# KiCad board Inverter_KiCAD.kicad_pcb (continued)
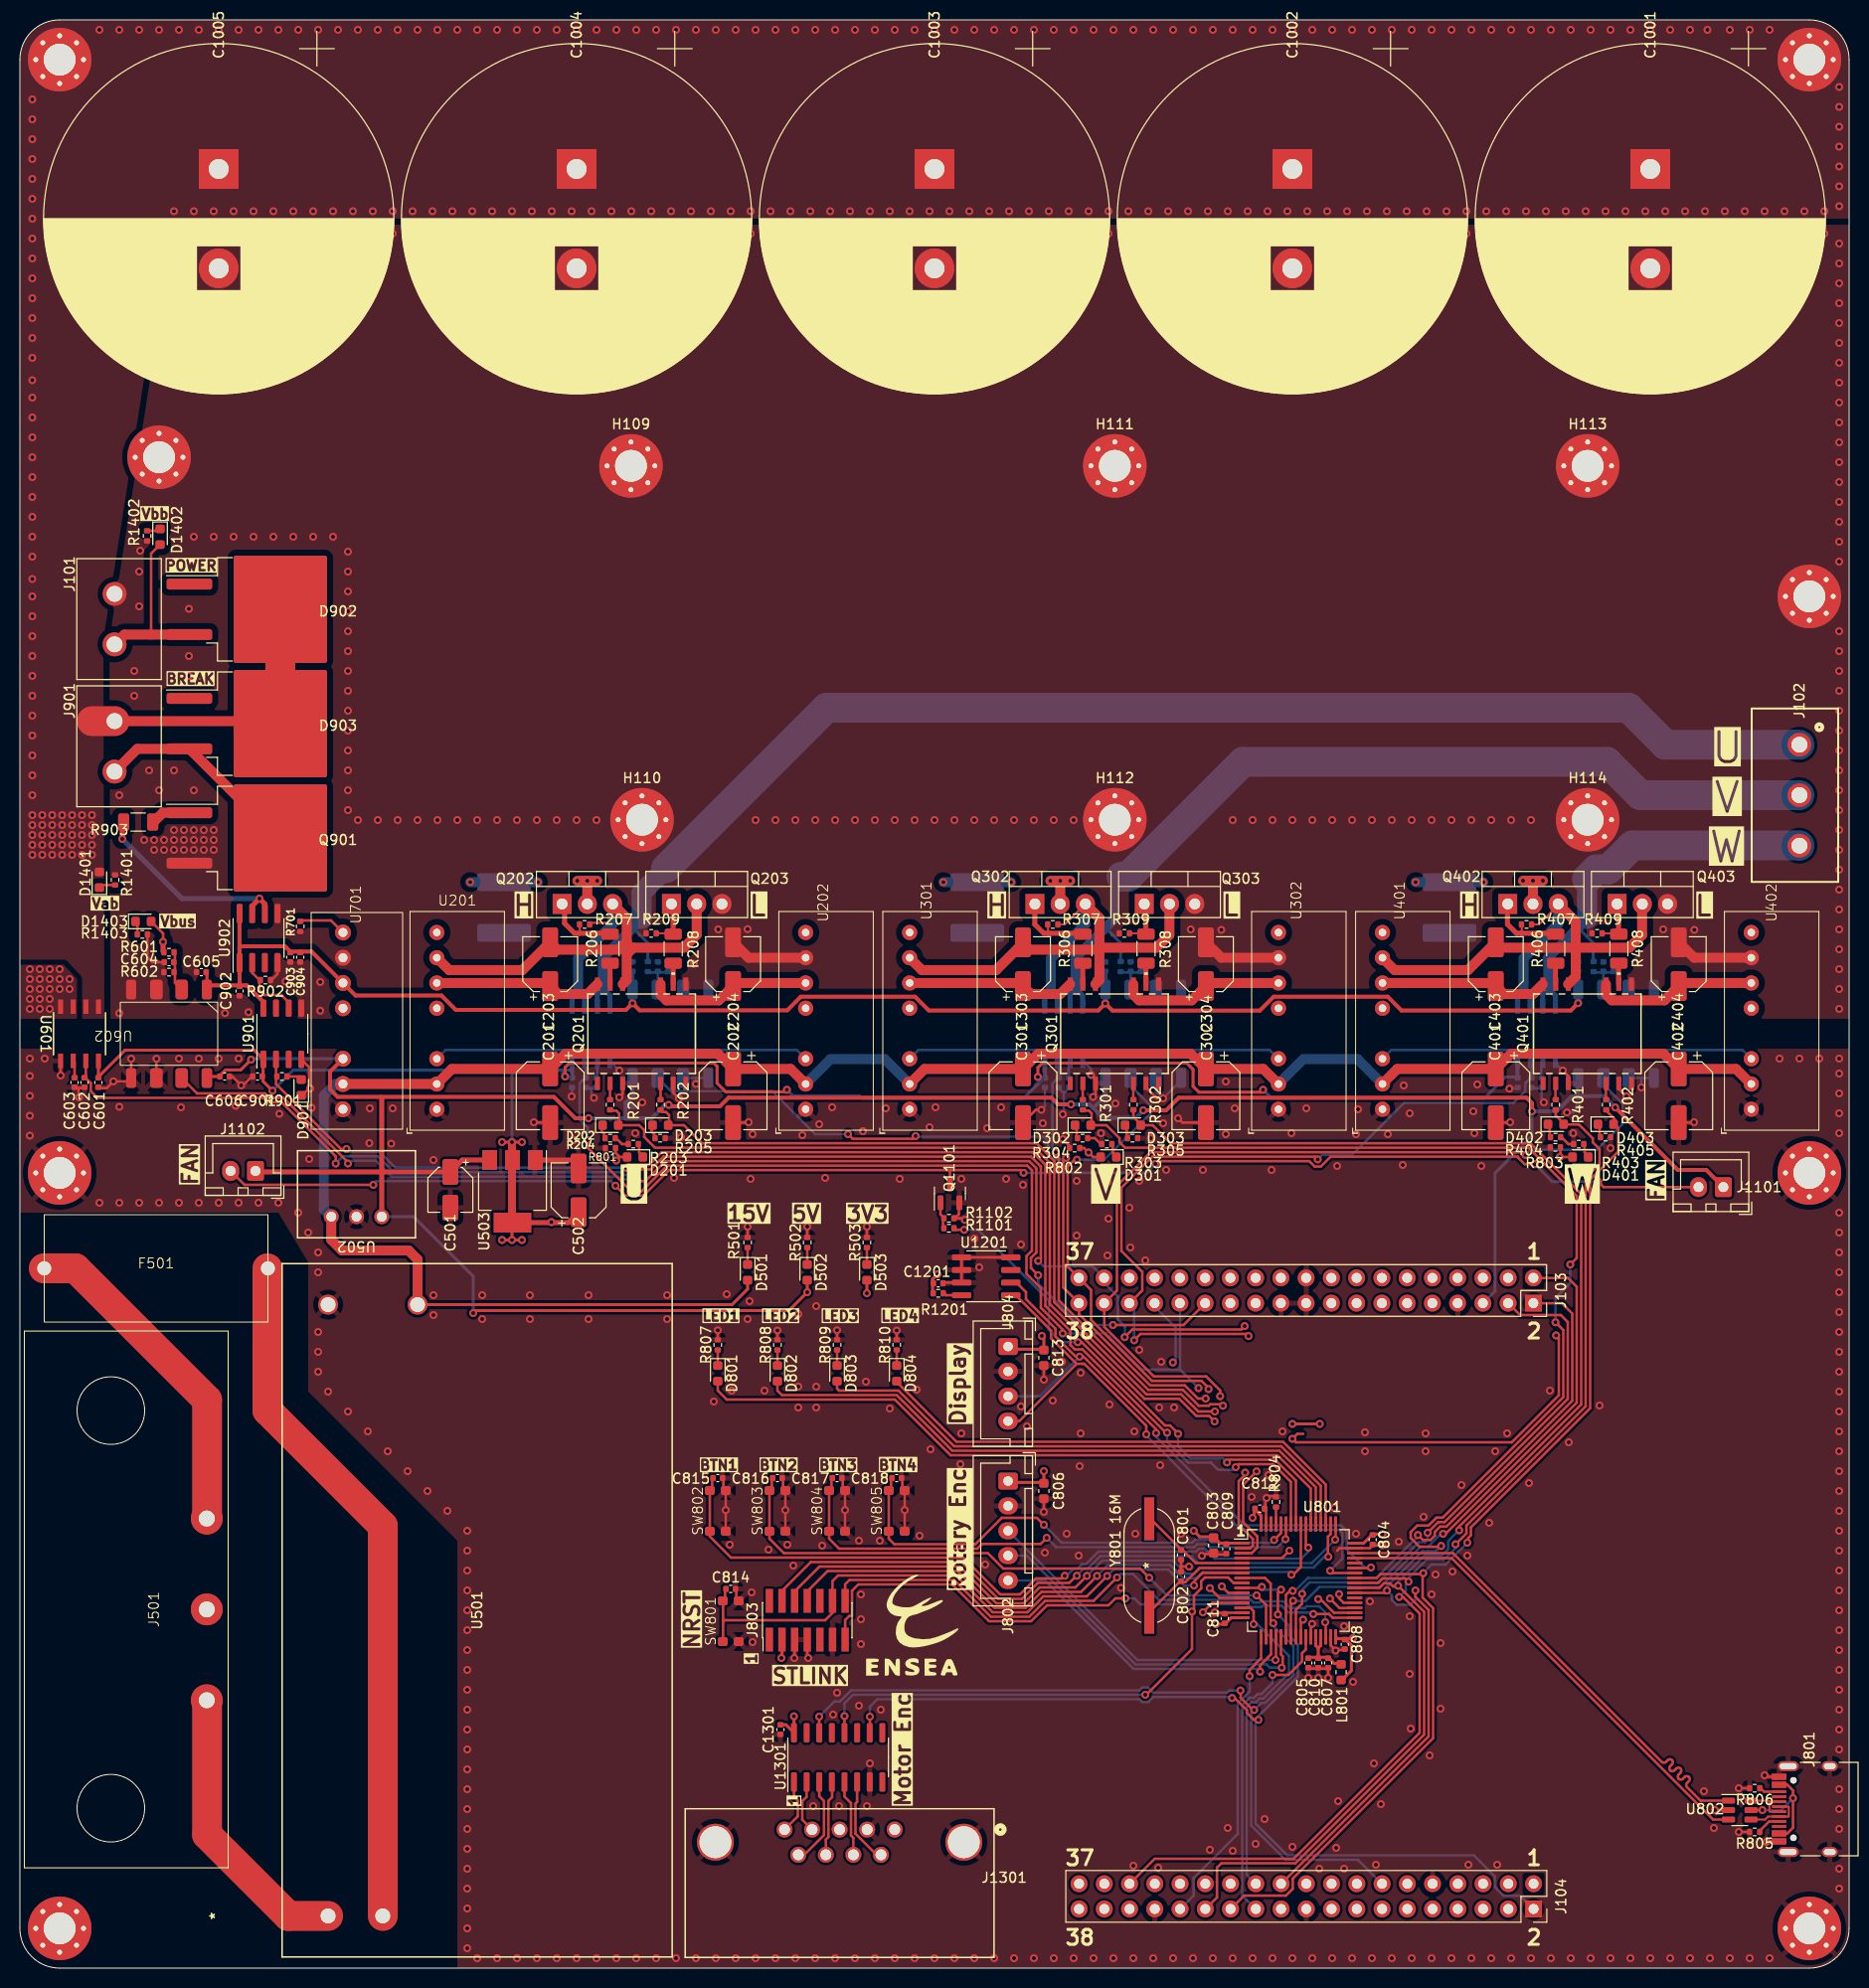
[diagram p0: board, top side]
## Library data of the parts (continued)
U501 = -: Fournisseur: Farnell; MFR: MP-LD30-23B15R2; Ref: 3780527
U502 = -: Fournisseur: Wurth; MFR: 173 010 542
U503 = -: Description: 1A 20V Fixed LDO Linear Regulator, 3.3V, SOT-89/SOT-223/TO-220/TO-252/TO-263; Fournisseur: RS; MFR: AZ1117H-3.3TRE1; Ref: 921-0701
U701 = -: Fournisseur: Wurth; MFR: 177 910 632 15
U801 = -: Description: STMicroelectronics Arm Cortex-M4 MCU, 512KB flash, 128KB RAM, 170 MHz, 1.71-3.6V, 52 GPIO, LQFP64; Fournisseur: RS; MFR: STM32G474RET6; Ref: 193-9861
U802 = -: Description: Very low capacitance ESD protection diode, 2 data-line, SOT-23-6; Fournisseur: RS; Ref: 624-7693
U901 = -: Fournisseur: RS; MFR: ACPL-077L-500E; Ref: 230-5293
U902 = -: Fournisseur: RS; MFR: TC1412NEOA; Ref: 1834898
U1201 = -: Fournisseur: RS; MFR: TCN75AVOA; Ref: 738-6014
U1301 = -: Fournisseur: Farnell; Ref: 2518786
Y801 = -: Description: Two pin crystal; Fournisseur: Farnell; MFR: ABLS-16.000MHZ-20-B-3-H-T; Ref: 3228387

## Footprints (pads in the part's own frame, mm; a bottom-side part is the same pattern mirrored in y, then rotated)
0031.8201
  round 2.8 hole 1.4: 1(-11.25,0) 2(11.25,0)
173010578
  round 1.499 hole 0.991: 1(5.08,0) 2(2.54,0) 3(0,0)
17791063215
  round 1.6 hole 0.9: 1(-8.89,1.4) 2(-6.35,1.4) 3(-3.81,1.4) 5(1.27,1.4) 6(3.81,1.4) 7(6.35,1.4) 8(8.89,1.4)
435451019820
  rrect 0.9x1 smd: 1(-2.05,0.8) 1(2.05,0.8) 2(-2.05,-0.8) 2(2.05,-0.8)
618009233821
  round 1.6 hole 1.092: 1(0,0) 2(-2.77,0) 3(-5.54,0) 4(-8.31,0) 5(-11.08,0) 6(-1.385,-2.54) 7(-4.155,-2.54) 8(-6.925,-2.54) 9(-9.695,-2.54)
  round 3.708 hole 3.2: 10(-18.035,-1.27) 10(6.955,-1.27)
691311500102
  round 2.4 hole 1.6: 1(-2.54,0) 2(2.54,0)
691311500103
  round 2.4 hole 1.6: 1(-5.08,0) 2(0,0) 3(5.08,0)
ABLS-7.3728MHZ-CL-RESR-A-1-G-F
  rect 4.318x1.016 smd: 1(-4.699,0) 2(4.699,0)
C_0402_1005Metric
  rrect 0.56x0.62 smd: 1(-0.48,0) 2(0.48,0)
C_0603_1608Metric
  rrect 0.9x0.95 smd: 1(-0.775,0) 2(0.775,0)
C_2220_5650Metric
  rrect 1.8x5.4 smd: 1(-2.55,0) 2(2.55,0)
CP_Elec_4x5.4
  rrect 2.6x1.6 smd: 1(-1.8,0) 2(1.8,0)
CP_Elec_5x5.4
  rrect 3x1.6 smd: 1(-2.2,0) 2(2.2,0)
CP_Elec_6.3x7.7
  rrect 3.5x1.6 smd: 1(-2.7,0) 2(2.7,0)
CP_Radial_D35.0mm_P10.00mm_SnapIn
  rect 4x4 hole 2: 1(0,0)
  round 4 hole 2: 2(10,0)
DIP-8 Gull Wing
  rrect 1.016x2 smd: 1(-3.81,-4.45) 4(3.81,-4.45) 5(3.81,4.45)
  rrect 1.27x2 smd: 2(-1.27,-4.45) 3(1.27,-4.45) 6(1.27,4.45) 7(-1.27,4.45)
  rrect 1.06x2 smd: 8(-3.81,4.45)
JST_XH_B2B-XH-A_1x02_P2.50mm_Vertical
  rrect 1.7x2 hole 1: 1(0,0)
  oval 1.7x2 hole 1: 2(2.5,0)
JST_XH_B4B-XH-A_1x04_P2.50mm_Vertical
  rrect 1.7x1.95 hole 0.95: 1(0,0)
  oval 1.7x1.95 hole 0.95: 2(2.5,0) 3(5,0) 4(7.5,0)
JST_XH_B5B-XH-A_1x05_P2.50mm_Vertical
  rrect 1.7x1.95 hole 0.95: 1(0,0)
  oval 1.7x1.95 hole 0.95: 2(2.5,0) 3(5,0) 4(7.5,0) 5(10,0)
L_0603_1608Metric
  rrect 0.875x0.95 smd: 1(-0.787,0) 2(0.787,0)
LED_0603_1608Metric
  rrect 0.875x0.95 smd: 1(-0.787,0) 2(0.787,0)
LQFP-64_10x10mm_P0.5mm
  rrect 1.55x0.3 smd: 1(-5.675,3.75) 2(-5.675,3.25) 3(-5.675,2.75) 4(-5.675,2.25) 5(-5.675,1.75) 6(-5.675,1.25) 7(-5.675,0.75) 8(-5.675,0.25) 9(-5.675,-0.25) 10(-5.675,-0.75) 11(-5.675,-1.25) 12(-5.675,-1.75) 13(-5.675,-2.25) 14(-5.675,-2.75) 15(-5.675,-3.25) 16(-5.675,-3.75) 33(5.675,-3.75) 34(5.675,-3.25) 35(5.675,-2.75) 36(5.675,-2.25) 37(5.675,-1.75) 38(5.675,-1.25) 39(5.675,-0.75) 40(5.675,-0.25) 41(5.675,0.25) 42(5.675,0.75) 43(5.675,1.25) 44(5.675,1.75) 45(5.675,2.25) 46(5.675,2.75) 47(5.675,3.25) 48(5.675,3.75)
  rrect 0.3x1.55 smd: 17(-3.75,-5.675) 18(-3.25,-5.675) 19(-2.75,-5.675) 20(-2.25,-5.675) 21(-1.75,-5.675) 22(-1.25,-5.675) 23(-0.75,-5.675) 24(-0.25,-5.675) 25(0.25,-5.675) 26(0.75,-5.675) 27(1.25,-5.675) 28(1.75,-5.675) 29(2.25,-5.675) 30(2.75,-5.675) 31(3.25,-5.675) 32(3.75,-5.675) 49(3.75,5.675) 50(3.25,5.675) 51(2.75,5.675) 52(2.25,5.675) 53(1.75,5.675) 54(1.25,5.675) 55(0.75,5.675) 56(0.25,5.675) 57(-0.25,5.675) 58(-0.75,5.675) 59(-1.25,5.675) 60(-1.75,5.675) 61(-2.25,5.675) 62(-2.75,5.675) 63(-3.25,5.675) 64(-3.75,5.675)
MountingHole_3.2mm_M3_Pad_Via
  round 0.8 hole 0.5: 1(-2.4,0) 1(-1.697,1.697) 1(-1.697,-1.697) 1(0,2.4) 1(0,-2.4) 1(1.697,1.697) 1(1.697,-1.697) 1(2.4,0)
  round 6.4 hole 3.2: 1(0,0)
MP-LD30-23B15R2
  round 2.007 hole 1.499: 1(0,0) 2(0,-5.5) 3(61.5,-9) 4(61.5,0)
MPRB2415S
  round 1.524 hole 0.762: 1(-8.89,0) 2(-6.35,0) 3(-3.81,0) 5(1.27,0) 6(3.81,0) 7(6.35,0) 8(8.89,0)
PinHeader_2x07_P1.27mm_Vertical_SMD
  rect 2.4x0.74 smd: 1(-1.95,3.81) 2(1.95,3.81) 3(-1.95,2.54) 4(1.95,2.54) 5(-1.95,1.27) 6(1.95,1.27) 7(-1.95,0) 8(1.95,0) 9(-1.95,-1.27) 10(1.95,-1.27) 11(-1.95,-2.54) 12(1.95,-2.54) 13(-1.95,-3.81) 14(1.95,-3.81)
PinSocket_2x19_P2.54mm_Vertical
  rect 1.7x1.7 hole 1: 1(0,0)
  oval 1.7x1.7 hole 1: 2(-2.54,0) 3(0,-2.54) 4(-2.54,-2.54) 5(0,-5.08) 6(-2.54,-5.08) 7(0,-7.62) 8(-2.54,-7.62) 9(0,-10.16) 10(-2.54,-10.16) 11(0,-12.7) 12(-2.54,-12.7) 13(0,-15.24) 14(-2.54,-15.24) 15(0,-17.78) 16(-2.54,-17.78) 17(0,-20.32) 18(-2.54,-20.32) 19(0,-22.86) 20(-2.54,-22.86) 21(0,-25.4) 22(-2.54,-25.4) 23(0,-27.94) 24(-2.54,-27.94) 25(0,-30.48) 26(-2.54,-30.48) 27(0,-33.02) 28(-2.54,-33.02) 29(0,-35.56) 30(-2.54,-35.56) 31(0,-38.1) 32(-2.54,-38.1) 33(0,-40.64) 34(-2.54,-40.64) 35(0,-43.18) 36(-2.54,-43.18) 37(0,-45.72) 38(-2.54,-45.72)
PX0580-PC-12132
  round 3.2 hole 1.6: 1(-9.14,-4.825) 2(0,-4.825) 3(9.14,-4.825)
R_0402_1005Metric
  rrect 0.54x0.64 smd: 1(-0.51,0) 2(0.51,0)
R_1206_3216Metric
  rrect 1.125x1.75 smd: 1(-1.462,0) 2(1.462,0)
SO-8_3.9x4.9mm_P1.27mm
  rrect 1.75x0.6 smd: 1(-2.575,1.905) 2(-2.575,0.635) 3(-2.575,-0.635) 4(-2.575,-1.905) 5(2.575,-1.905) 6(2.575,-0.635) 7(2.575,0.635) 8(2.575,1.905)
SO-16_HCPL-315J_BRA
  rect 1.346x0.508 smd: 1(-4.991,4.445) 2(-4.991,3.175) 3(-4.991,1.905) 6(-4.991,-1.905) 7(-4.991,-3.175) 8(-4.991,-4.445) 9(4.991,-4.445) 10(4.991,-3.175) 11(4.991,-1.905) 14(4.991,1.905) 15(4.991,3.175) 16(4.991,4.445)
SOIC8-GO-SME&slash_SP3_LEM
  rect 1.46x0.508 smd: 1(-2.724,1.905) 2(-2.724,0.635) 3(-2.724,-0.635) 4(-2.724,-1.905) 5(2.724,-1.905) 6(2.724,-0.635) 7(2.724,0.635) 8(2.724,1.905)
SOIC-8_3.9x4.9mm_P1.27mm
  rrect 1.95x0.6 smd: 1(-2.475,1.905) 2(-2.475,0.635) 3(-2.475,-0.635) 4(-2.475,-1.905) 5(2.475,-1.905) 6(2.475,-0.635) 7(2.475,0.635) 8(2.475,1.905)
SOIC-16_3.9x9.9mm_P1.27mm
  rrect 1.95x0.6 smd: 1(-2.475,4.445) 2(-2.475,3.175) 3(-2.475,1.905) 4(-2.475,0.635) 5(-2.475,-0.635) 6(-2.475,-1.905) 7(-2.475,-3.175) 8(-2.475,-4.445) 9(2.475,-4.445) 10(2.475,-3.175) 11(2.475,-1.905) 12(2.475,-0.635) 13(2.475,0.635) 14(2.475,1.905) 15(2.475,3.175) 16(2.475,4.445)
SOT-23
  rrect 1.475x0.6 smd: 1(-0.938,0.95) 2(-0.938,-0.95) 3(0.938,0)
SOT-23-6
  rrect 1.325x0.6 smd: 1(-1.137,0.95) 2(-1.137,0) 3(-1.137,-0.95) 4(1.137,-0.95) 5(1.137,0) 6(1.137,0.95)
SOT-223-3_TabPin2
  rect 2x1.5 smd: 1(-3.15,2.3) 2(-3.15,0) 3(-3.15,-2.3)
  rect 2x3.8 smd: 2(3.15,0)
TO-220-3_Vertical
  rect 1.905x2 hole 1.1: 1(0,0)
  oval 1.905x2 hole 1.1: 2(2.54,0) 3(5.08,0)
TO-263-2
  rrect 4.6x1.1 smd: 1(-7.65,2.54) 3(-7.65,-2.54)
  rrect 4.55x5.25 smd: 2(-0.925,2.775) 2(-0.925,-2.775) 2(3.925,2.775) 2(3.925,-2.775)
  rrect 9.4x10.8 smd: 2(1.5,0)
USB_C_Receptacle_HRO_TYPE-C-31-M-12
  round 0.65 hole 0.65 unplated: (-2.89,2.6) (2.89,2.6)
  rect 0.6x1.45 smd: A1(-3.25,4.045) A4(-2.45,4.045) A9(2.45,4.045) A12(3.25,4.045) B1(3.25,4.045) B4(2.45,4.045) B9(-2.45,4.045) B12(-3.25,4.045)
  rect 0.3x1.45 smd: A5(-1.25,4.045) A6(-0.25,4.045) A7(0.25,4.045) A8(1.25,4.045) B5(1.75,4.045) B6(0.75,4.045) B7(-0.75,4.045) B8(-1.75,4.045)
  oval 1x2.1 hole 0.6x1.7: S1(-4.32,3.13) S1(4.32,3.13)
  oval 1x1.6 hole 0.6x1.2: S1(-4.32,-1.05) S1(4.32,-1.05)

## Nets
/5V: C207.1 C307.1 C407.1 C605.1 C902.1 C903.1 C904.1 U203.1 U303.1 U403.1 U602.1 U701.6 U901.8 U902.1 U902.8
/5V_USB_CHGR: J104.7
/+3V3: J103.15
/+5V: J103.17
/Arm_IRF540NBbF1/VCC_H: C303.1 Q301.16 U301.6
/Arm_IRF540NBbF1/VCC_L: C304.1 Q301.11 U302.6
/Arm_IRF540NBbF2/VCC_H: C403.1 Q401.16 U401.6
/Arm_IRF540NBbF2/VCC_L: C404.1 Q401.11 U402.6
/Arm_IRF540NBbF/VCC_H: C203.1 Q201.16 U201.6
/Arm_IRF540NBbF/VCC_L: C204.1 Q201.11 U202.6
/AVDD: J104.8
/VBAT: J103.34
/Vbus: C206.1 C306.1 C406.1 D1403.2 Q202.2 Q302.2 Q402.2 R601.1 U601.3 U601.4
/VDD: J103.6
/VIN: J103.23
GND: C204.2 C205.2 C206.2 C207.2 C304.2 C305.2 C306.2 C307.2 C404.2 C405.2 C406.2 C407.2 C604.2 C605.2 C902.2 C903.2 C904.2 C1001.2 C1002.2 C1003.2 C1004.2 C1005.2 H105.1 H106.1 H109.1 H110.1 H111.1 H112.1 H113.1 H114.1 J101.2 Q201.9 Q203.3 Q301.9 Q303.3 Q401.9 Q403.3 Q901.3 R209.2 R211.2 R309.2 R311.2 R409.2 R411.2 R602.2 R701.2 R902.2 R1401.2 R1402.2 R1403.2 U202.7 U203.3 U203.4 U302.7 U303.3 U303.4 U402.7 U403.3 U403.4 U602.3 U602.4 U701.7 U901.5 U902.4 U902.5
/Arm_IRF540NBbF1/ARM_OUT: C303.2 Q301.14 Q302.3 Q303.2 R307.2 U301.7 U304.1 U304.2
/Arm_IRF540NBbF1/Cmd_H: Q302.1 R306.2 R307.1
/Arm_IRF540NBbF1/Cmd_L: Q303.1 R308.2 R309.1
/Arm_IRF540NBbF1/Uref: C311.1 U304.6
/Arm_IRF540NBbF2/ARM_OUT: C403.2 Q401.14 Q402.3 Q403.2 R407.2 U401.7 U404.1 U404.2
/Arm_IRF540NBbF2/Cmd_H: Q402.1 R406.2 R407.1
/Arm_IRF540NBbF2/Cmd_L: Q403.1 R408.2 R409.1
/Arm_IRF540NBbF2/Uref: C411.1 U404.6
/Arm_IRF540NBbF/ARM_OUT: C203.2 Q201.14 Q202.3 Q203.2 R207.2 U201.7 U204.1 U204.2
/Arm_IRF540NBbF/Cmd_H: Q202.1 R206.2 R207.1
/Arm_IRF540NBbF/Cmd_L: Q203.1 R208.2 R209.1
/Arm_IRF540NBbF/Uref: C211.1 U204.6
/break/Break_Drain_Mosfet: D903.3 J901.1 Q901.2
/break/PWM_Break: R902.1 U901.6 U902.2
/break/PWM_Mosfet: R903.1 U902.6 U902.7
/Bus_Imes: C602.1 J103.36 U601.7 U801.36
/Bus_V: J103.27 U602.7 U801.34
/ENC_A: J104.14 U801.8 U1301.14
/ENC_B: J103.31 U801.9 U1301.12
/ENC_Z: J104.1 U801.10 U1301.10
/encoderMotor//A: J1301.4 U1301.2
/encoderMotor//B: J1301.8 U1301.4
/encoderMotor//Z: J1301.6 U1301.6
/encoderMotor/A: J1301.5 U1301.1
/encoderMotor/B: J1301.9 U1301.3
/encoderMotor/Z: J1301.7 U1301.5
/I2C_SCL: J804.3 U801.43 U1201.2
/I2C_SDA: J804.4 U801.42 U1201.1
/IOREF: J103.11
/ISO_3V3: C209.1 C309.1 C409.1 C502.1 C601.1 C803.1 C804.1 C806.2 C808.1 C809.1 C811.1 C812.1 C813.1 C901.1 C1201.1 C1301.1 D503.2 J802.1 J803.3 J804.1 J1301.1 L801.1 R1201.2 U204.8 U304.8 U404.8 U503.2 U601.8 U801.1 U801.16 U801.32 U801.48 U801.64 U901.1 U1301.16
/ISO_5V: C208.1 C308.1 C408.1 C501.1 C606.1 D502.2 J103.5 J1101.1 J1102.1 U203.8 U303.8 U403.8 U502.3 U503.3 U602.8 U701.3
/ISO_15V: C201.1 C202.1 C301.1 C302.1 C401.1 C402.1 D501.2 U201.2 U202.2 U301.2 U302.2 U401.2 U402.2 U501.3 U502.1 U701.2
/ISO_GND: C201.2 C202.2 C208.2 C209.2 C210.2 C211.2 C301.2 C302.2 C308.2 C309.2 C310.2 C311.2 C401.2 C402.2 C408.2 C409.2 C410.2 C411.2 C501.2 C502.2 C601.2 C602.2 C603.2 C606.2 C801.1 C802.1 C803.2 C804.2 C805.2 C806.1 C807.2 C808.2 C809.2 C810.2 C811.2 C812.2 C813.2 C814.2 C815.2 C816.2 C817.2 C818.2 C901.2 C1201.2 C1301.2 D901.1 H102.1 H103.1 H104.1 J103.7 J103.19 J103.20 J103.21 J104.10 J104.19 J104.31 J801.A1 J801.A12 J801.B1 J801.B12 J801.S1 J802.2 J803.5 J803.7 J803.11 J804.2 J1301.2 J1301.10 Q201.3 Q201.7 Q301.3 Q301.7 Q401.3 Q401.7 Q1101.2 R203.2 R204.2 R205.2 R303.2 R304.2 R305.2 R403.2 R404.2 R405.2 R501.2 R502.2 R503.2 R801.2 R802.2 R803.2 R804.2 R805.2 R806.2 R807.2 R808.2 R809.2 R810.2 R1102.2 SW801.2 SW802.2 SW803.2 SW804.2 SW805.2 U201.1 U202.1 U203.5 U203.6 U204.5 U301.1 U302.1 U303.5 U303.6 U304.5 U401.1 U402.1 U403.5 U403.6 U404.5 U501.4 U502.2 U503.1 U601.5 U602.5 U602.6 U701.1 U801.15 U801.27 U801.31 U801.47 U801.63 U802.2 U901.4 U1201.4 U1201.5 U1201.6 U1201.7 U1301.7
/ISO_PWM_Break: R901.1 U801.58 U901.2
/ISO_PWM_FAN: R1101.2 U801.57
/MCU_STM32G474/D+: J801.A6 J801.B6 U802.6
/MCU_STM32G474/D-: J801.A7 J801.B7 U802.4
/MCU_STM32G474/ENC_BTN_A: J802.3 U801.20
/MCU_STM32G474/ENC_BTN_B: J802.4 U801.21
/MCU_STM32G474/ENC_BTN_P: J802.5 U801.19
/MCU_STM32G474/ISO_3V3A: C805.1 C807.1 C810.1 L801.2 U801.28 U801.29
/MCU_STM32G474/NRST: C814.1 J803.12 SW801.1 U801.7
/MCU_STM32G474/Soft_NRST: C818.1 SW805.1 U801.60
/MCU_STM32G474/SWCLK: J803.6 U801.50
/MCU_STM32G474/SWDIO: J803.4 U801.49
/MCU_STM32G474/SWO: J803.8 U801.56
/MCU_STM32G474/USB_DM: U801.45 U802.3
/MCU_STM32G474/USB_DP: U801.46 U802.1
/MCU_STM32G474/USR_BTN_1: C815.1 SW802.1 U801.55
/MCU_STM32G474/USR_BTN_2: C816.1 SW803.1 U801.18
/MCU_STM32G474/USR_BTN_3: C817.1 SW804.1 U801.59
/MCU_STM32G474/USR_LED_1: D801.2 U801.54
/MCU_STM32G474/USR_LED_2: D802.2 U801.53
/MCU_STM32G474/USR_LED_3: D803.2 U801.52
/MCU_STM32G474/USR_LED_4: D804.2 U801.51
/MCU_STM32G474/V_USB: J801.A4 J801.A9 J801.B4 J801.B9 U802.5
/MCU_STM32G474/VCP_RX: J803.13 U801.33
/MCU_STM32G474/VCP_TX: J803.14 U801.30
/NUCLEO_NRST: J103.3 U801.24
/NUCLEO_RX: J103.1 U801.22
/NUCLEO_TX: J103.2 U801.23
/PA5: J104.12
/PA7: J104.16
/PA11: J104.13
/PA12: J104.11
/PA13: J103.14
/PA14: J103.16
/PA15: J103.18
/PB2: J104.21
/PB3: J104.32
/PB4: J104.28
/PB5: J104.30
/PB6: J104.18
/PB7: J103.22
/PB8: J104.4
/PB8-BOOT0: J103.8
/PB9: J104.6
/PB10: J104.26
/PB11: J104.17
/PB12: J104.15
/PC4: J104.33
/PC4/PA2: J104.36
/PC5: J104.5
/PC5/PA3: J104.38
/PC6: J104.3
/PC7: J104.20
/PC9: J104.2
/PC12: J103.4
/PC13: J103.24
/PC14: J103.26
/PC15: J103.28
/PF0: J103.30
/PF1: J103.32
/Pwr_En_U: D201.2 R801.1 U201.3 U202.3 U801.2
/Pwr_En_V: D301.2 R802.1 U301.3 U302.3 U801.3
/Pwr_En_W: D401.2 R803.1 U401.3 U402.3 U801.4
/U_Imes: C210.1 J103.29 U204.7 U801.13
/U_output: J102.1 R210.1 U204.3 U204.4
/U_PWM_H: D202.2 J104.24 R201.2 U801.14
/U_PWM_L: D203.2 J104.29 R202.2 U801.17
/U_VPh: J103.37 U203.7 U801.12
/V_Imes: C310.1 J104.23 U304.7 U801.26
/V_output: J102.2 R310.1 U304.3 U304.4
/V_PWM_H: D302.2 J104.22 R301.2 U801.38
/V_PWM_L: D303.2 J104.27 R302.2 U801.39
/V_VPh: J103.38 U303.7 U801.11
/Vbus_Sense/Uref: C603.1 U601.6
/VSupply_AB: C1001.1 C1002.1 C1003.1 C1004.1 C1005.1 D902.2 D903.2 D1401.2 H107.1 H108.1 J901.2 U601.1 U601.2
/VSupply_BB: D902.3 D1402.2 J101.1
/W_Imes: C410.1 J103.33 U404.7 U801.35
/W_output: J102.3 R410.1 U404.3 U404.4
/W_PWM_H: D402.2 J104.34 R401.2 U801.40
/W_PWM_L: D403.2 J104.25 R402.2 U801.41
/W_VPh: J103.35 U403.7 U801.25
Net-(D201-K): D201.1 R203.1
Net-(D202-K): D202.1 R204.1
Net-(D203-K): D203.1 R205.1
Net-(D301-K): D301.1 R303.1
Net-(D302-K): D302.1 R304.1
Net-(D303-K): D303.1 R305.1
Net-(D401-K): D401.1 R403.1
Net-(D402-K): D402.1 R404.1
Net-(D403-K): D403.1 R405.1
Net-(D501-K): D501.1 R501.1
Net-(D502-K): D502.1 R502.1
Net-(D503-K): D503.1 R503.1
Net-(D801-K): D801.1 R807.1
Net-(D802-K): D802.1 R808.1
Net-(D803-K): D803.1 R809.1
Net-(D804-K): D804.1 R810.1
Net-(D901-A): D901.2 R901.2
Net-(D1401-K): D1401.1 R1401.1
Net-(D1402-K): D1402.1 R1402.1
Net-(D1403-K): D1403.1 R1403.1
Net-(J501-L): F501.1 J501.3
Net-(J501-N): J501.1 U501.1
Net-(J801-CC1): J801.A5 R805.1
Net-(J801-CC2): J801.B5 R806.1
Net-(J1101-Pin_2): J1101.2 J1102.2 Q1101.3
Net-(Q201-Anode-Pad2): Q201.2 R201.1
Net-(Q201-Anode-Pad6): Q201.6 R202.1
Net-(Q201-Vo-Pad10): Q201.10 R208.1
Net-(Q201-Vo-Pad15): Q201.15 R206.1
Net-(Q301-Anode-Pad2): Q301.2 R301.1
Net-(Q301-Anode-Pad6): Q301.6 R302.1
Net-(Q301-Vo-Pad10): Q301.10 R308.1
Net-(Q301-Vo-Pad15): Q301.15 R306.1
Net-(Q401-Anode-Pad2): Q401.2 R401.1
Net-(Q401-Anode-Pad6): Q401.6 R402.1
Net-(Q401-Vo-Pad10): Q401.10 R408.1
Net-(Q401-Vo-Pad15): Q401.15 R406.1
Net-(Q901-G): Q901.1 R903.2
Net-(Q1101-G): Q1101.1 R1101.1 R1102.1
Net-(U203-VIN+): C205.1 R210.2 R211.1 U203.2
Net-(U303-VIN+): C305.1 R310.2 R311.1 U303.2
Net-(U403-VIN+): C405.1 R410.2 R411.1 U403.2
Net-(U501-AC(N)): F501.2 U501.2
Net-(U602-VIN+): C604.1 R601.2 R602.1 U602.2
Net-(U701-FB): R701.1 U701.8
Net-(U801-PB8): R804.1 U801.61
Net-(U801-PF0): C801.2 U801.5 Y801.2
Net-(U801-PF1): C802.2 U801.6 Y801.1
Net-(U1201-VDD): R1201.1 U1201.8

Pads without a net: D902 1; D903 1; H101 1; J103 9 10 12 13 25; J104 9 35 37; J501 2; J801 A8 B8; J803 1 2 9 10; J1301 3; Q201 1 8; Q301 1 8; Q401 1 8; U201 5 8; U202 5 8; U301 5 8; U302 5 8; U401 5 8; U402 5 8; U701 5; U801 37 44 62; U901 3 7; U902 3; U1201 3; U1301 8 9 11 13 15

## Via types
v1: diameter 0.8, hole 0.4, Top to Bottom, 1092 vias

## Routing (per net, layer and track width the routed paths; a pad name or vN(x,y) marks a point on that pad's centre or on a via; arc(x,y) is an arc through that point)
/5V: length 166.9
  Top w0.3: U602.1 18.82,98.46 18.82,100.2
  Top w0.4: 22.1,98.87 22.1,101.12 22.09,101.12 22.09,102.5 ; 22.1,98.87 19.23,98.87 U602.1 ; 22.1,98.87 22.83,98.87 24.49,97.2 U901.8 ; 22.09,102.5 22.09,106.08 ; 22.09,102.5 22.09,102.8 26.67,102.8 27.2,102.27 29.34,102.27 U701.6 33.76,97.85 42.4,97.85 43.85,96.4 60.96,96.4 v1(61.63,97.07) 62.34,96.36 77.19,96.36 78.56,97.73 90.04,97.73 91.43,96.34 108.47,96.34 v1(109.18,97.05) 109.9,96.33 124.72,96.33 126.12,97.73 137.59,97.73 138.98,96.34 156,96.34 v1(156.74,97.08)
  Bottom w0.4: v1(156.74,97.08) 156.74,98.44 U403.1 ; U303.1 109.18,98.44 v1(109.18,97.05) ; v1(61.63,97.07) U203.1 61.63,100.19 ; 109.18,98.45 109.18,100.19 ; 156.72,98.45 156.72,100.19
/Arm_IRF540NBbF1/VCC_H: length 17
  Top w1: 105.64,98.99 104.65,98 101.7,98 100.59,99.11 89.49,99.11
/Arm_IRF540NBbF1/VCC_L: length 16.6
  Top w1: 111.99,98.99 111.99,97.95 112.59,97.36 117.86,97.36 119.61,99.11 126.59,99.11
/Arm_IRF540NBbF2/VCC_H: length 17
  Top w1: 137.03,99.11 148.15,99.11 149.26,98 152.2,98 153.19,98.99
/Arm_IRF540NBbF2/VCC_L: length 16.6
  Top w1: 174.13,99.11 167.17,99.11 C404.1 165.42,97.36 160.13,97.36 159.54,97.95 159.54,98.99
/Arm_IRF540NBbF/VCC_H: length 17
  Top w1: Q201.16 57.1,98 54.14,98 53.03,99.11 U201.6
/Arm_IRF540NBbF/VCC_L: length 16.6
  Top w1: U202.6 72.05,99.11 70.3,97.36 65.04,97.36 64.44,97.95 64.44,98.99
/Vbus: length 36.9
  Top w0.25: D1403.2 14.4,104.1 v1(14.4,103.25)
  Top w0.5: 14.4,102.31 14.4,102.31 v1(14.4,103.25)
  Top w1: v1(153.2,109.4) v1(152.2,109.4) ; v1(152.2,109.4) v1(151.2,109.4) ; v1(152.2,109.4) Q402.2 ; v1(58.08,109.39) v1(57.08,109.39) ; v1(57.08,109.39) v1(56.08,109.39) ; v1(57.08,109.39) 57.08,107.05 ; v1(105.65,109.39) v1(104.65,109.39) ; v1(104.65,109.39) v1(103.65,109.39) ; v1(104.65,109.39) 104.65,107.05
  Bottom w1: v1(140.4,109.25) C406.1 v1(147.2,109.25) ; v1(52.1,109.25) C206.1 v1(45.3,109.25) ; v1(99.7,109.25) C306.1 v1(92.9,109.25)
  vias: v1(1,100.5) v1(1,99.5) v1(1,98.5) v1(1,97.5) v1(1,96.5) v1(2,100.5) v1(2,99.5) v1(2,98.5) v1(2,97.5) v1(2,96.5) v1(3,100.5) v1(3,99.5) v1(3,98.5) v1(3,97.5) v1(3,96.5) v1(4,100.5) v1(4,99.5) v1(4,98.5) v1(5,99.5) v1(5,98.5)
GND: length 30
  Top w0.25: R1403.2 12.83,101.69 13.33,101.2 C604.2 ; 25.91,101.12 25.91,100.01 25.3,99.4
  Top w1: 166.84,103.17 C404.2 168.41,101.65 174.13,101.65 ; 119.29,103.19 C304.2 120.85,101.65 126.59,101.65 ; C204.2 73.29,101.65 U202.7
  vias: v1(10,118) v1(10,96.06) v1(11.5,130.5) v1(11.5,128) v1(12,140.5) v1(12,137) v1(12.1,142.6) v1(12.5,113.5) v1(13,120.5) v1(13.5,113.5) v1(13.5,112.5) v1(14,118.5) v1(14.5,113.5) v1(14.5,112.5) v1(15.5,120.5) v1(15.5,114.5) v1(15.5,113.5) v1(15.5,112.5) v1(16.5,114.5) v1(16.5,113.5) v1(16.5,112.5) v1(17,136.75) v1(17,132) v1(17,130) v1(17.5,174.5) v1(17.5,144) v1(17.5,118.5) v1(17.5,114.5) v1(17.5,113.5) v1(17.5,112.5) v1(18.5,114.5) v1(18.5,113.5) v1(18.5,112.5) v1(19.5,174.5) v1(19.5,144) v1(19.5,114.5) v1(19.5,113.5) v1(19.5,112.5) v1(20.63,96.08) v1(21.5,174.5) v1(21.5,144) v1(23,96.17) v1(23.5,174.5) v1(23.5,144) v1(25.5,174.5) v1(25.5,144) v1(26.73,99.27) v1(27.5,174.5) v1(27.5,144) v1(29.5,174.5) v1(29.5,144) v1(30.21,99.21) v1(30.21,96.32) v1(31.5,174.5) v1(31.5,144) v1(33,142.5) v1(33,140.5) v1(33,138.5) v1(33,136.5) v1(33,134.5) v1(33,132.5) v1(33,130.5) v1(33,128.5) v1(33,126.5) v1(33,124.5) v1(33,122.5) v1(33,120.5) v1(33,118.5) v1(33,116.5) v1(33.5,174.5) v1(34,115.5) v1(35.5,174.5) v1(36,115.5) v1(37.5,174.5) v1(38,115.5) v1(39.5,174.5) v1(40,115.5) v1(41.5,174.5) v1(42,115.5) v1(43.5,174.5) v1(44,115.5) v1(45.5,174.5) v1(46,115.5) v1(47.5,174.5) v1(48,115.5) v1(49.5,174.5) v1(50,115.5) v1(51.5,174.5) v1(52,115.5) v1(53.5,174.5) v1(54,115.5) v1(55.5,174.5) v1(56,115.5) v1(57.5,174.5) v1(58,115.5) v1(59.5,174.5) v1(61.5,174.5) v1(63.5,174.5) v1(65.5,174.5) v1(67.5,174.5) v1(67.78,101.04) v1(69.5,174.5) v1(70.25,104.5) v1(71.5,174.5) v1(73.2,104.53) v1(73.5,174.5) v1(74,115.5) v1(75.5,174.5) v1(76,115.5) v1(77.5,174.5) v1(78,115.5) v1(79.5,174.5) v1(80,115.5) v1(81.5,174.5) v1(82,115.5) v1(83.5,174.5) v1(84,115.5) v1(85.5,174.5) v1(86,115.5) v1(87.5,174.5) v1(88,115.5) v1(89.5,174.5) v1(90,115.5) v1(91.5,174.5) v1(92,115.5) v1(93.5,174.5) v1(94,115.5) v1(95.5,174.5) v1(96,115.5) v1(97.5,174.5) v1(98,115.5) v1(99.5,174.5) v1(100,115.5) v1(101.5,174.5) v1(102,115.5) v1(103.5,174.5) v1(104,115.5) v1(105.5,174.5) v1(106,115.5) v1(107.5,174.5) v1(109.5,174.5) v1(111.5,174.5) v1(113.5,174.5) v1(115.5,174.5) v1(117.5,174.5) v1(117.78,104.5) v1(119.5,174.5) v1(120.85,104.45) v1(121.5,174.5) v1(122,115.5) v1(123.5,174.5) v1(124,115.5) v1(125.5,174.5) v1(126,115.5) v1(127.5,174.5) v1(128,115.5) v1(129.5,174.5) v1(130,115.5) v1(131.5,174.5) v1(132,115.5) v1(133.5,174.5) v1(134,115.5) v1(135.5,174.5) v1(136,115.5) v1(137.5,174.5) v1(138,115.5) v1(139.5,174.5) v1(140,115.5) v1(141.5,174.5) v1(142,115.5) v1(143.5,174.5) v1(144,115.5) v1(145.5,174.5) v1(146,115.5) v1(147.5,174.5) v1(148,115.5) v1(149.5,174.5) v1(150,115.5) v1(151.5,174.5) v1(152,115.5) v1(153.5,174.5) v1(155.5,174.5) v1(157.5,174.5) v1(159.5,174.5) v1(161.5,174.5) v1(163.5,174.5) v1(165.3,104.5) v1(165.5,174.5) v1(167.5,174.5) v1(168.43,104.45) v1(169.5,174.5) v1(171.5,174.5) v1(173.5,174.5) v1(175.5,174.5) v1(177.5,174.5) v1(179.5,174.5) v1(181.5,174.5) v1(183,173.5) v1(183,171.5) v1(183,169.5) v1(183,167.5) v1(183,165.5) v1(183,163.5) v1(183,161.5) v1(183,159.5) v1(183,157.5) v1(183,155.5) v1(183,153.5) v1(183,151.5) v1(183,149.5) v1(183,147.5) v1(183,145.5) v1(183,143.5) v1(183,141.5) v1(183,134.5) v1(183,132.5) v1(183,130.5) v1(183,128.5) v1(183,126.5) v1(183,124.5) v1(183,122.5) v1(183,120.5) v1(183,118.5) v1(183,116.5) v1(183,114.5) v1(183,112.5) v1(183,110.5) v1(183,108.5) v1(183,106.5) v1(183,104.5) v1(183,102.5) v1(183,100.5) v1(183,98.5) v1(183,96.5)
/Arm_IRF540NBbF1/ARM_OUT: length 58.7
  Top w0.2: 107.17,107.06 105.11,105 104.38,105
  Top w1: 115.63,107.06 115.63,103.95 114.33,102.66 108.7,102.66 108.5,102.46 101.59,102.46 100.9,103.15 C303.2 100.9,103.1 98.2,100.41 90.73,100.41 89.49,101.65 ; Q302.3 107.17,107.06 ; 107.17,107.06 108.59,105.64 108.59,99.4 108.18,98.99
  Bottom w0.5: 103.71,98.48 103.77,98.48 ; 103.71,98.56 103.09,97.94 103.09,96.72 ; 104.36,96.72 104.36,97.97 103.77,98.56
  Bottom w1: 103.71,98.48 103.71,101.58 107.17,105.04 107.17,107.06
/Arm_IRF540NBbF1/Cmd_H: length 8.1
  Top w0.2: 103.42,105 103.42,104.14
  Top w0.5: 103.45,104.11 102.99,104.11 102.09,105.01 102.09,107.06 ; 103.45,104.11 106.91,104.11 ; 103.45,104.11 103.42,104.14
/Arm_IRF540NBbF1/Cmd_L: length 4.7
  Top w0.2: 111.58,104.1 113.26,104.1
  Top w0.5: 113.09,107.06 113.26,106.89 113.26,104.11 ; 113.26,104.1 113.28,104.11
/Arm_IRF540NBbF1/Uref: length 1.7
  Bottom w0.25: 105.63,91.28 105.49,91.14 105.49,89.65
/Arm_IRF540NBbF2/ARM_OUT: length 58.7
  Top w0.2: 154.74,106.94 152.8,105 152.03,105
  Top w1: 154.72,107.06 156.5,105.28 156.5,99.76 155.73,98.99 ; 137.03,101.65 138.28,100.41 145.67,100.41 C403.2 149,102.66 161.89,102.66 163.18,103.94 163.18,107.06 ; Q402.3 154.74,106.94
  Bottom w0.5: 150.63,96.72 150.63,97.94 151.25,98.56 ; 151.91,96.72 151.91,97.97 151.31,98.56 ; 151.25,98.48 151.31,98.48
  Bottom w1: 151.25,98.48 151.25,101.58 154.72,105.04 154.72,107.06
/Arm_IRF540NBbF2/Cmd_H: length 8.1
  Top w0.2: 151.07,105 151.07,104.13
  Top w0.5: 151.05,104.11 150.54,104.11 149.63,105.02 149.63,107.06 ; 151.05,104.11 151.07,104.13 ; 151.05,104.11 154.46,104.11
/Arm_IRF540NBbF2/Cmd_L: length 4.7
  Top w0.2: 159.13,104.1 160.82,104.1
  Top w0.5: 160.82,104.1 160.84,104.11 ; 160.81,104.11 160.81,106.89 160.63,107.06
/Arm_IRF540NBbF2/Uref: length 1.7
  Bottom w0.25: 153.03,89.65 153.03,91.14 153.18,91.28
/Arm_IRF540NBbF/ARM_OUT: length 59.4
  Top w0.2: 57.28,105 57.44,105.16 59.06,105.16 59.62,105.72 Q202.3
  Top w1: Q202.3 61.04,105.64 61.04,103.28 ; 61.04,103.28 61.04,99.4 Q201.14 ; 61.04,103.28 60.22,102.46 54.08,102.46 C203.2 50.55,100.41 43.18,100.41 U201.7 ; Q203.2 68.08,103.97 66.77,102.66 61.7,102.66 61.04,102
  Bottom w0.5: U204.2 56.81,97.97 56.22,98.56 ; U204.1 55.54,97.94 56.16,98.56 ; 56.16,98.48 56.22,98.48
  Bottom w1: 56.16,98.48 56.16,101.58 59.62,105.04 Q202.3
/Arm_IRF540NBbF/Cmd_H: length 7.9
  Top w0.2: 56.32,105 56.32,104.13
  Top w0.5: 56.3,104.11 59.36,104.11 ; 56.3,104.11 56.32,104.13 ; 56.3,104.11 55.79,104.11 54.79,105.11 54.79,106.81 Q202.1
/Arm_IRF540NBbF/Cmd_L: length 4.8
  Top w0.2: 63.98,104.1 65.7,104.1
  Top w0.5: Q203.1 65.72,106.89 65.72,104.11 65.7,104.1
/Arm_IRF540NBbF/Uref: length 1.7
  Bottom w0.25: 57.94,89.65 58.08,89.79 U204.6
/break/Break_Drain_Mosfet: length 17.8
  Top w1: J901.1 11.81,122.66 D903.3 23.23,116.47 Q901.2
/break/PWM_Break: length 7.1
  Top w0.25: U901.6 27.03,97.17 26.3,97.9 24.54,97.9 24.1,98.34 24.1,99.4 23.37,100.14 23.37,101.12
/break/PWM_Mosfet: length 21.5
  Top w0.5: U902.7 23.37,106.87 v1(24.1,107.6) 24.64,107.06 U902.6 ; v1(10.3,113.6) 10.3,115.25 10.35,115.3
  Bottom w0.5: v1(10.3,113.6) 16.3,107.6 v1(24.1,107.6)
/Bus_Imes: length 174.3
  Top w0.25: v1(31.77,80.95) 31.77,81.66 26.33,87.1 24.92,87.1 24.47,87.55 7.8,87.55 7.13,88.22 7.13,89.03 6.5,89.67 6.63,89.8 U601.7 ; v1(132.7,37.63) 132.7,37.2 133.15,36.75 U801.36 ; v1(123.2,64.59) 122.86,64.25 111.9,64.25 v1(111.13,63.48) ; v1(61.76,79.91) 62.2,80.35 63.45,80.35 64.74,81.63 101.71,81.63 102.7,80.64 102.7,71.39 102.46,71.15 v1(102.43,71.15)
  In2.Cu w0.25: 123.2,64.62 123.59,64.62 124.31,63.89 124.31,63.11 129.78,57.65 129.78,44.31 132.7,41.39 132.7,37.65
  Bottom w0.25: v1(111.13,63.48) 111.15,63.5 111.15,64.53 110.44,65.23 110.44,67.56 109.08,68.92 109.08,69.43 107.91,70.6 102.97,70.6 v1(102.43,71.15) ; v1(61.76,79.91) 61.65,79.8 60.67,79.8 60.4,80.08 37.59,80.08 35.99,81.67 32.5,81.67 v1(31.77,80.95)
/Bus_V: length 162.2
  Top w0.25: v1(109.95,64.7) 117.05,64.7 119.24,66.89 ; v1(102.43,69.71) 101.7,70.44 101.7,71.45 102.25,72 102.25,80.45 101.52,81.19 64.92,81.19 62.92,79.18 62.06,79.18 v1(61.78,78.9) ; v1(130.6,37.12) 130.81,37.12 132.19,35.75 U801.34 ; U602.7 17.82,88 24.65,88 25.11,87.55 26.52,87.55 33,81.07 v1(33,80.95)
  In2.Cu w0.25: 119.24,66.91 128.75,57.4 128.75,42 129.88,40.88 129.88,37.87 130.6,37.15
  Bottom w0.25: v1(61.78,78.9) 61.65,78.9 61.2,79.35 60.49,79.35 60.21,79.63 37.4,79.63 35.8,81.22 33.45,81.22 33.18,80.95 v1(33,80.95) ; v1(102.43,69.71) 102.43,68.87 106.59,64.7 v1(109.95,64.7)
/ENC_A: length 94.1
  Top w0.25: 80.4,23.68 80.4,23.68 v1(80.4,25.3) ; v1(124.15,25.98) 124.02,25.98 122.8,27.2 122.8,27.9 v1(122.77,27.93) ; v1(126.07,34.7) 125.82,34.96 125.82,38.68 125.25,39.25 U801.8
  Bottom w0.25: v1(122.77,27.93) 121.66,27.93 121.45,27.72 114.01,27.72 113.5,28.23 112.9,28.23 112.63,27.95 83.61,27.95 82.49,26.83 81.93,26.83 v1(80.4,25.3) ; v1(126.07,34.7) 126.07,34.43 128.1,32.4 128.1,29.5 125.27,26.68 124.88,26.68 124.19,25.98 v1(124.15,25.98) 123.85,25.69 123.85,14.34 127.3,10.9 134.59,10.9 137.02,8.47
/ENC_B: length 87.4
  Top w0.25: v1(113.2,27.5) 113.3,27.5 117.9,32.1 v1(117.9,35.88) 118.08,35.7 118.1,35.7 118.1,37.48 118.82,38.2 118.82,38.93 119.2,39.3 121.53,39.3 122.08,38.75 U801.9 ; v1(82.94,25.36) 82.94,23.68
  In2.Cu w0.25: 115.98,60.96 115.98,60.61 117.83,58.75 117.83,57.7 118.1,57.42 118.1,54.27 117.2,53.36 117.2,48.15 118.8,46.55 118.8,43.06 116.88,41.14 116.88,36.93 117.9,35.9
  Bottom w0.25: v1(113.2,27.5) 83.8,27.5 82.94,26.64 v1(82.94,25.36) ; v1(115.98,60.93) 116.25,61.21 116.25,64.45 114.16,66.54 114.16,66.89
/ENC_Z: length 106.1
  Top w0.25: v1(121.93,27.18) 122.19,27.18 123.42,25.94 123.42,25.68 124.12,24.98 v1(124.58,24.98) ; 124.85,38.25 U801.10 ; v1(85.5,25.3) 85.5,23.69 85.48,23.68 ; v1(126.54,35.58) 126.54,37.77 v1(126.85,38.08)
  Bottom w0.25: v1(126.85,38.08) 125.02,38.08 ; 125.02,38.08 124.93,38.17 v1(124.93,38.35) ; 125.02,38.08 124.9,38.2 ; v1(85.5,25.3) 85.5,26.3 86.25,27.05 112.63,27.05 112.9,26.78 113.5,26.78 113.99,27.27 121.84,27.27 v1(121.93,27.18) ; v1(126.54,35.58) 127.67,34.46 127.67,33.47 128.55,32.59 128.55,29.32 124.58,25.35 v1(124.58,24.98) 124.31,24.71 124.31,14.53 127.49,11.35 146.25,11.35 148.35,9.25 148.35,8.17 149.23,7.29 150.9,7.29 152.26,5.93
/encoderMotor//A: length 5.4
  Top w0.25: U1301.2 79.13,17.23 78.7,16.8 78.7,14.93 J1301.4
/encoderMotor//B: length 7.6
  Top w0.25: U1301.4 81.7,18.7 81.7,17.2 81.33,16.83 81.33,13.19 81.07,12.93 J1301.8
/encoderMotor//Z: length 8.7
  Top w0.25: J1301.6 86.17,11.4 84.05,13.52 84.05,16.55 84.21,16.71 U1301.6
/encoderMotor/A: length 5.5
  Top w0.25: U1301.1 77.86,17.24 78.25,16.85 78.25,15.27 J1301.5
/encoderMotor/B: length 8.9
  Top w0.25: U1301.3 80.4,17.3 80.88,16.82 80.88,13.38 78.9,11.4 J1301.9
/encoderMotor/Z: length 7.7
  Top w0.25: U1301.5 82.94,17.26 83.6,16.6 83.6,13.34 83.84,13.1 J1301.7
/I2C_SCL: length 61
  Top w0.25: v1(114.29,53.82) 114.29,54.21 106.98,61.52 v1(106.59,61.52) 106.21,61.52 104.17,63.55 104.17,64.33 101.2,67.3 101.2,68.01 100.25,68.97 99.68,68.97 ; v1(135.9,40.3) 135.85,40.25 U801.43
  Bottom w0.25: J804.3 102.61,57.54 v1(106.59,61.52) ; v1(135.9,40.3) 135.28,40.3 133.47,42.1 133.47,43.96 132.89,44.55 123.19,44.55 114.29,53.45 v1(114.29,53.82)
/I2C_SDA: length 60.4
  Top w0.25: 106.29,60.79 100.54,55.04 J804.4 ; 106.29,60.79 106.89,60.79 106.9,60.8 107.06,60.8 113.3,54.56 v1(113.3,53.7) ; 106.29,60.79 103.72,63.36 103.72,64.14 100.17,67.69 99.68,67.69 ; v1(131.8,39.97) 132.02,39.75 U801.42
  Bottom w0.25: v1(131.8,39.97) 133.03,41.2 133.03,43.78 132.7,44.1 122.8,44.1 113.3,53.6 v1(113.3,53.7)
/ISO_3V3: length 237.3
  Top w0.3: U801.16 121.84,35.25 121.2,34.61 120.31,34.61 v1(120.3,34.6) ; v1(49.5,73.25) v1(50.5,73.25) ; v1(49.5,73.25) v1(48.5,73.25) ; v1(49.5,73.25) 49.64,73.39 ; 53.51,75 v1(53.46,75.05) 53.41,75 ; v1(124,45.3) 124.15,45.45 124.15,46.22 124.85,45.53 U801.64 ; J802.1 99.54,48.86 103,48.86 v1(103,50) ; C1301.1 77.06,24.48 77.86,23.68 v1(77.86,25.34) ; v1(48.5,83.1) v1(49.5,83.1) v1(50.5,83.1) ; U801.48 135.16,42.75 136.07,43.67 137.03,43.67 v1(137.05,43.65) ; v1(76.6,31.2) 76.66,31.26 J803.3 ; v1(128,54.75) v1(130.75,54.75) ; v1(125.05,88.37) 124.8,88.12 118.6,88.12 118.01,88.71 118.01,90.41 117.37,91.05 102.85,91.05 102.4,90.6 v1(102.4,89.65) ; v1(92.3,69.8) 91.81,69.31 91.81,67.93 91.78,67.9 ; v1(25.41,88.27) 24.47,89.21 24.47,91.4 U901.1 23.57,92.35 10.58,92.35 7.9,89.67 7.9,91.27 U601.8 ; 133.28,33.14 134.04,33.14 v1(134.1,33.2) ; 133.28,33.14 133.94,32.48 133.94,29.94 132.9,28.9 ; 133.28,33.14 132.53,33.14 U801.32 ; v1(54.84,89.7) 54.84,90.62 55.27,91.05 69.81,91.05 70.13,90.73 70.13,89.03 71.01,88.15 76.93,88.15 v1(77.15,88.37) ; J804.1 99.68,62.26 103,62.26 103,63.4 v1(102.8,63.6) ; 49.5,75 49.5,73.39 ; v1(118.08,44) 118.69,43.39 120.07,43.39 120.72,42.74 121.35,42.74 121.36,42.75 U801.1 ; 85.2,69.12 v1(85.2,67.9)
  Top w0.5: 53.41,75 49.5,75 ; 53.51,75 55.15,75 C502.1
  Top w0.8: v1(49.5,83.1) 49.5,75
  Bottom w0.3: 54.6,90.34 54.6,89.94 v1(54.84,89.7) ; 54.6,90.34 49.5,90.34 ; 54.6,90.34 55.53,90.34 ; 49.5,90.34 v1(49.5,83.1) ; 49.5,90.34 27.47,90.34 v1(25.41,88.27) ; 102.2,88.75 103.1,89.65 ; 102.2,88.75 100.98,87.52 84.73,87.52 84.51,87.74 77.78,87.74 v1(77.15,88.37) ; 102.2,88.75 102.4,88.94 v1(102.4,89.65) ; v1(125.05,88.37) 125.9,87.52 147.32,87.52 149.45,89.65 150.66,89.65
  Bottom w0.4: 55.55,89.65 55.55,91.27 U204.8 ; 103.09,89.65 103.09,91.27 ; 150.64,89.65 150.64,91.27
/ISO_5V: length 286
  Top w0.3: v1(45.6,65.9) 45.85,66.15 77.35,66.15 v1(79.2,68) 79.2,69.12 ; v1(23.25,91.4) 22.21,90.36 20.69,90.36 20.03,89.7 18.96,89.7 U602.8 ; 47.2,81.3 47.16,81.34 ; 36.4,87.55 36.3,87.65
  Top w0.4: U701.3 31.2,90.19 31.2,88.41 31.96,87.65 53.72,87.65 55.86,85.5 v1(57.2,85.5) ; v1(113,86.3) 115.3,86.3 116.57,87.57 151.55,87.57 152.1,87.02 v1(152.1,86.2) ; J1101.1 169.62,80.3 166.76,80.3 v1(160.48,86.59) ; v1(65.26,86.85) 65.41,86.7 66.63,86.7 66.63,86.7 70.41,86.7 71.28,87.57 103.76,87.57 104.43,86.9 v1(105.72,86.9)
  Top w0.5: 47.2,81.3 44.5,81.3 C501.1 36.4,80.1 ; 36.4,80.1 36.4,87.55 ; 36.4,80.1 U502.3 ; 36.4,80.1 23.8,80.1 J1102.1
  Bottom w0.3: v1(23.25,91.4) 23.34,91.49 U701.3 ; U502.3 39.6,75.6 45.6,69.6 v1(45.6,65.9) ; 147.18,66.89 148.38,68.09 148.38,79.98 152.1,83.7 v1(152.1,86.2)
  Bottom w0.4: 60.92,85.52 60.92,87.03 61.61,87.73 61.63,87.73 U203.8 ; v1(57.2,85.5) 57.2,85.5 63.55,85.5 64.9,86.85 v1(65.26,86.85) ; v1(113,86.3) 112.24,85.54 108.93,85.54 107.96,86.51 ; 109.18,87.73 109.18,89.55 ; 107.96,86.51 107.57,86.9 v1(105.72,86.9) 105.82,86.8 ; 107.96,86.51 109.17,87.73 109.19,87.73 ; 156.72,87.73 156.72,89.55 ; v1(160.48,86.59) 159.34,87.73 156.12,87.73 154.6,86.2 v1(152.1,86.2)
